# Altium PCB 电解模块主控板_V1.1_ZM_20210918.PcbDoc (part 1 of 2)
Units mil, origin at the board's own origin, x right, y up, seen from the top; angles counter-clockwise.
Board outline 5915.54 x 3947.37 mil, 2 copper layers (Top Layer, Bottom Layer); 200 components, 153 nets, 656 pads, 1536 vias.
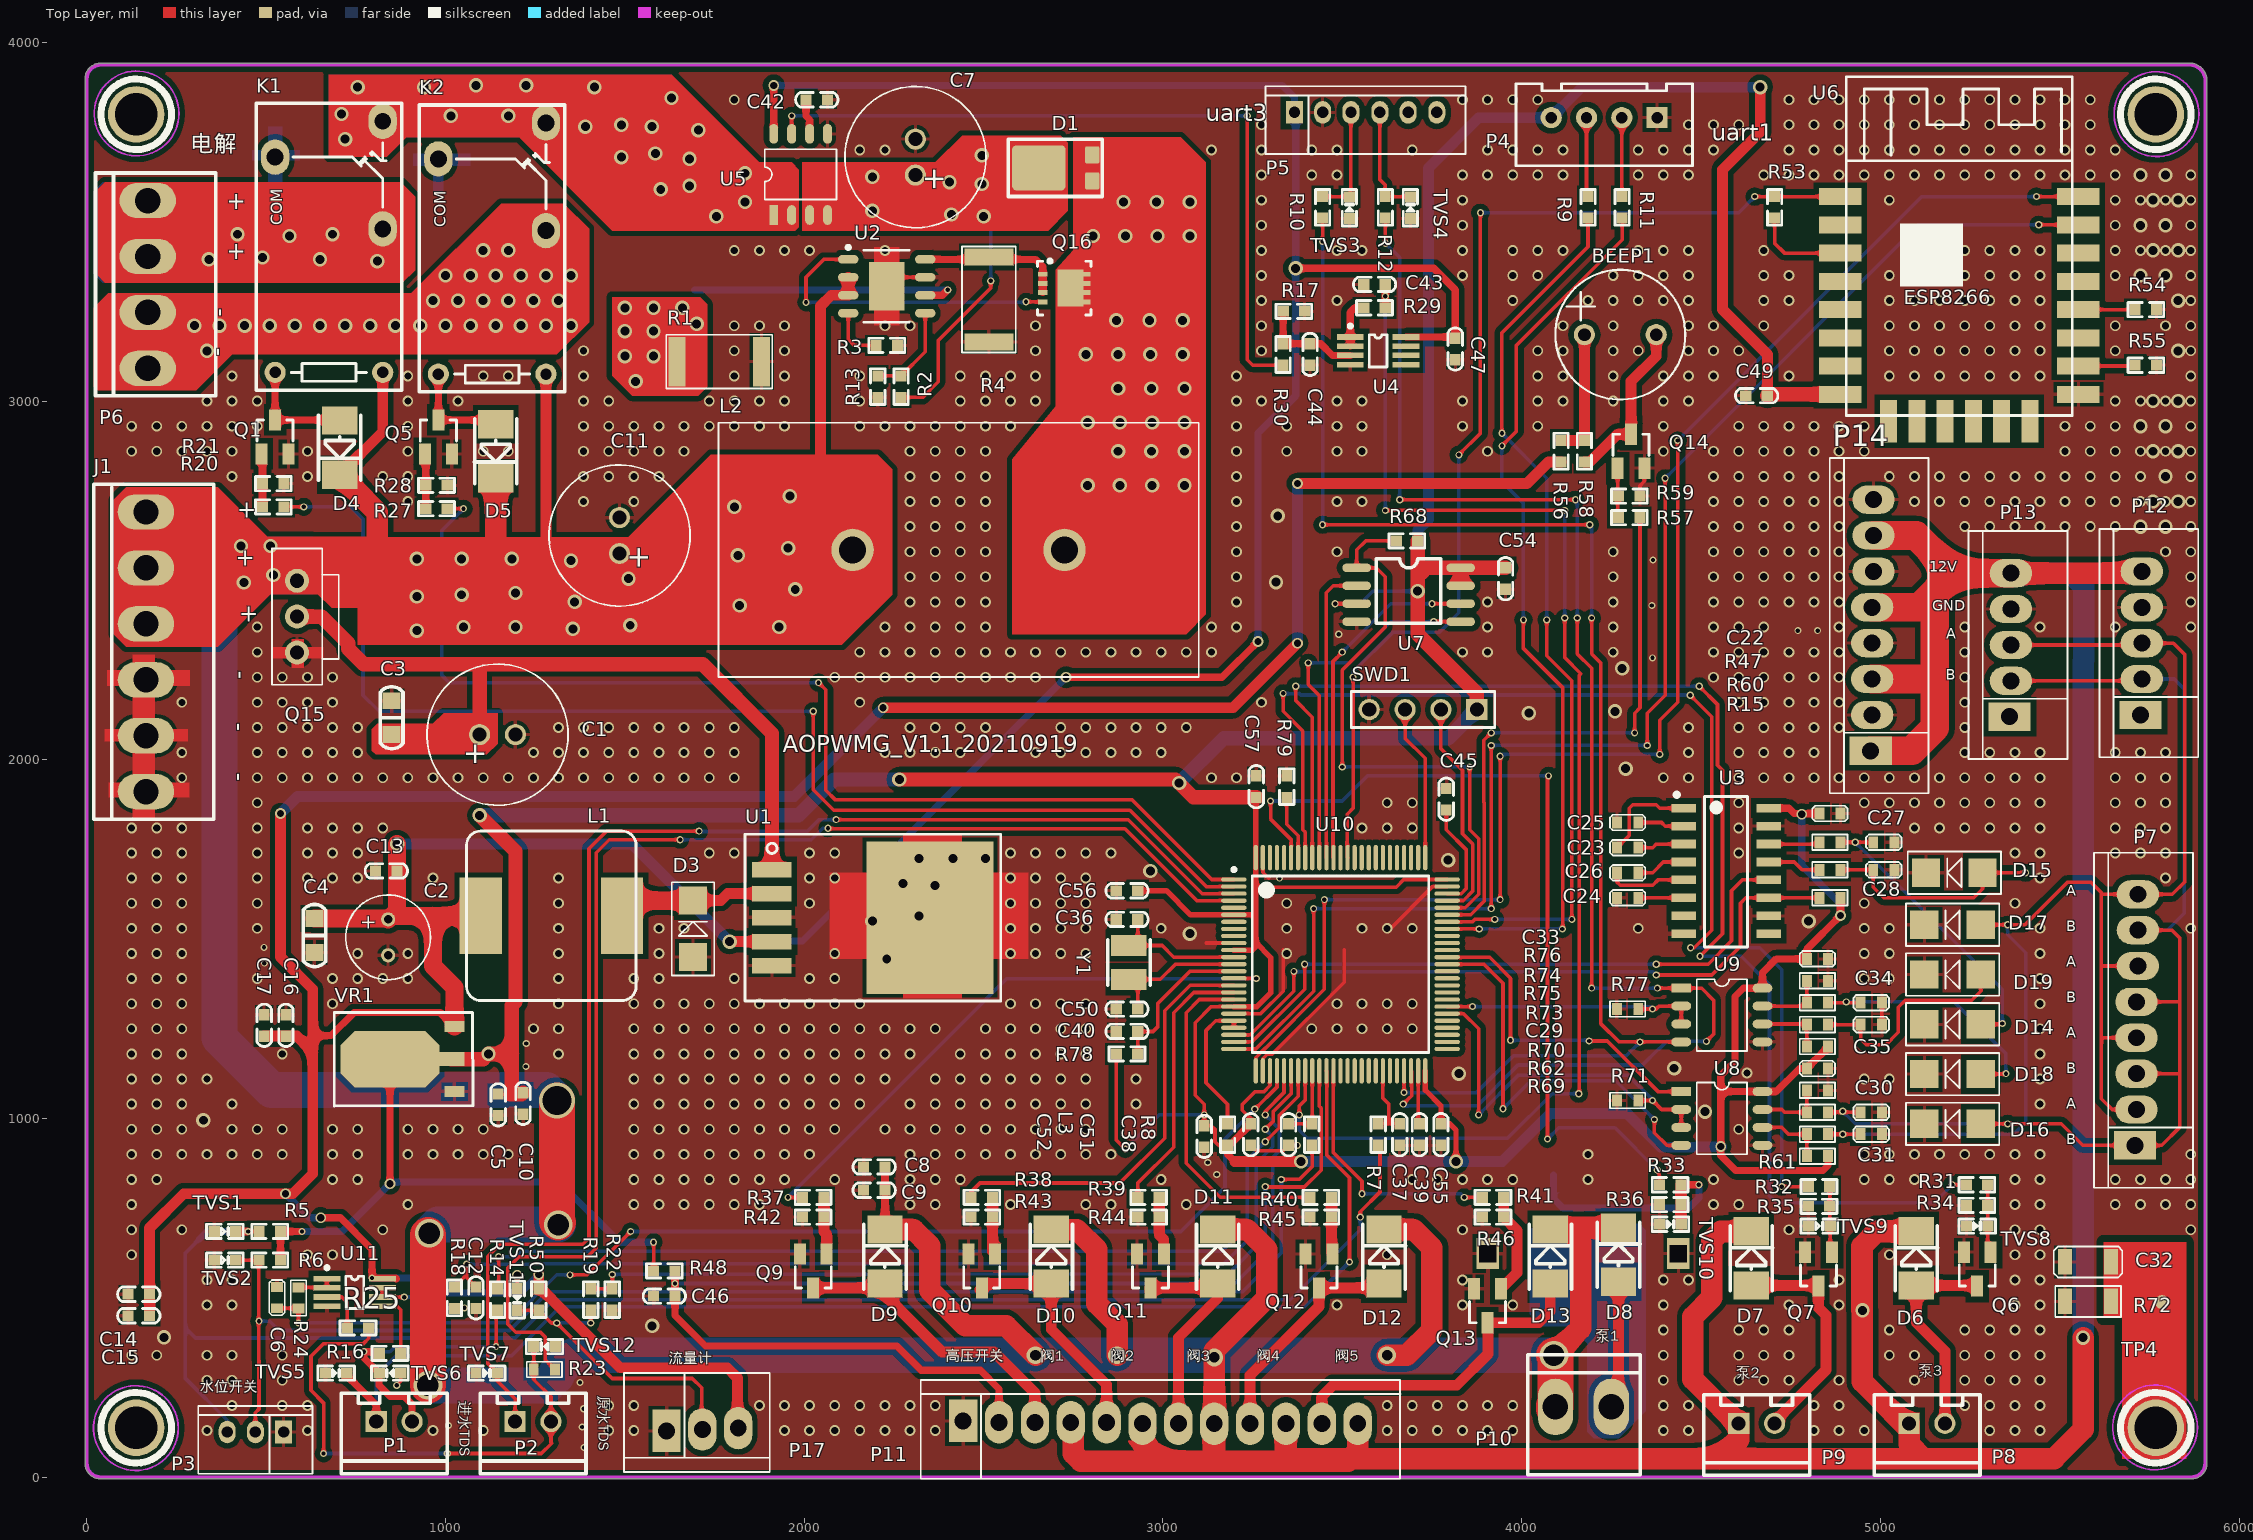
[diagram p0: Top Layer view]
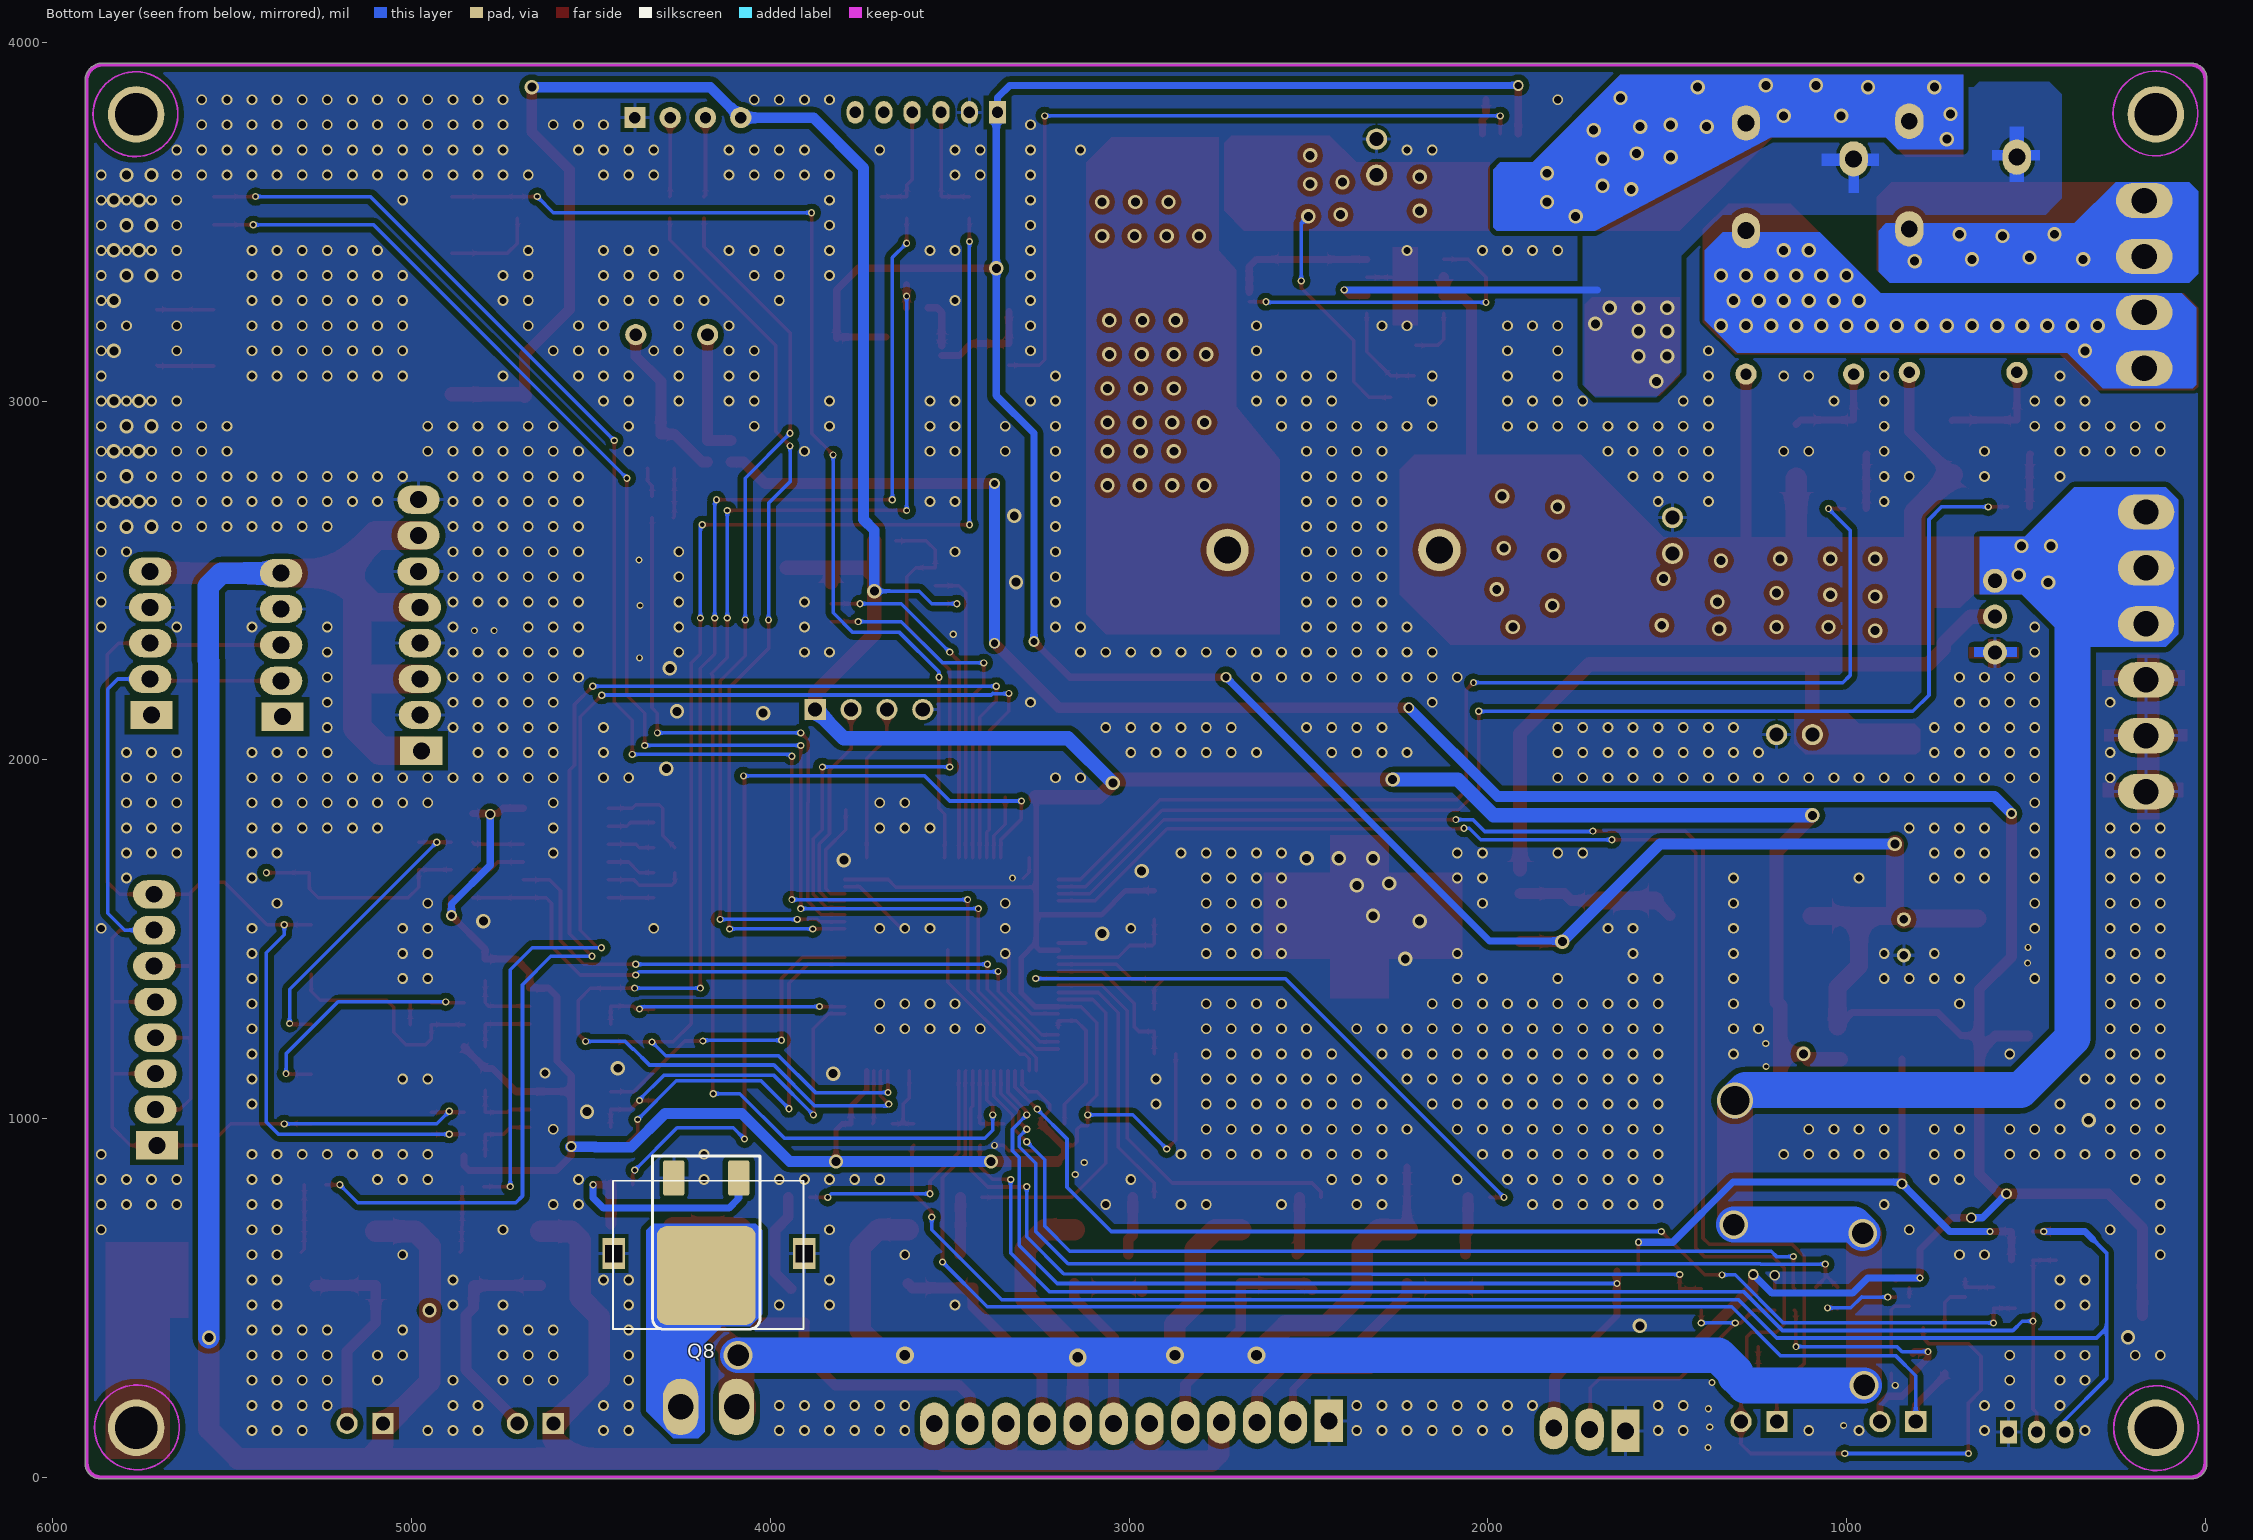
[diagram p1: Bottom Layer view, seen from below]
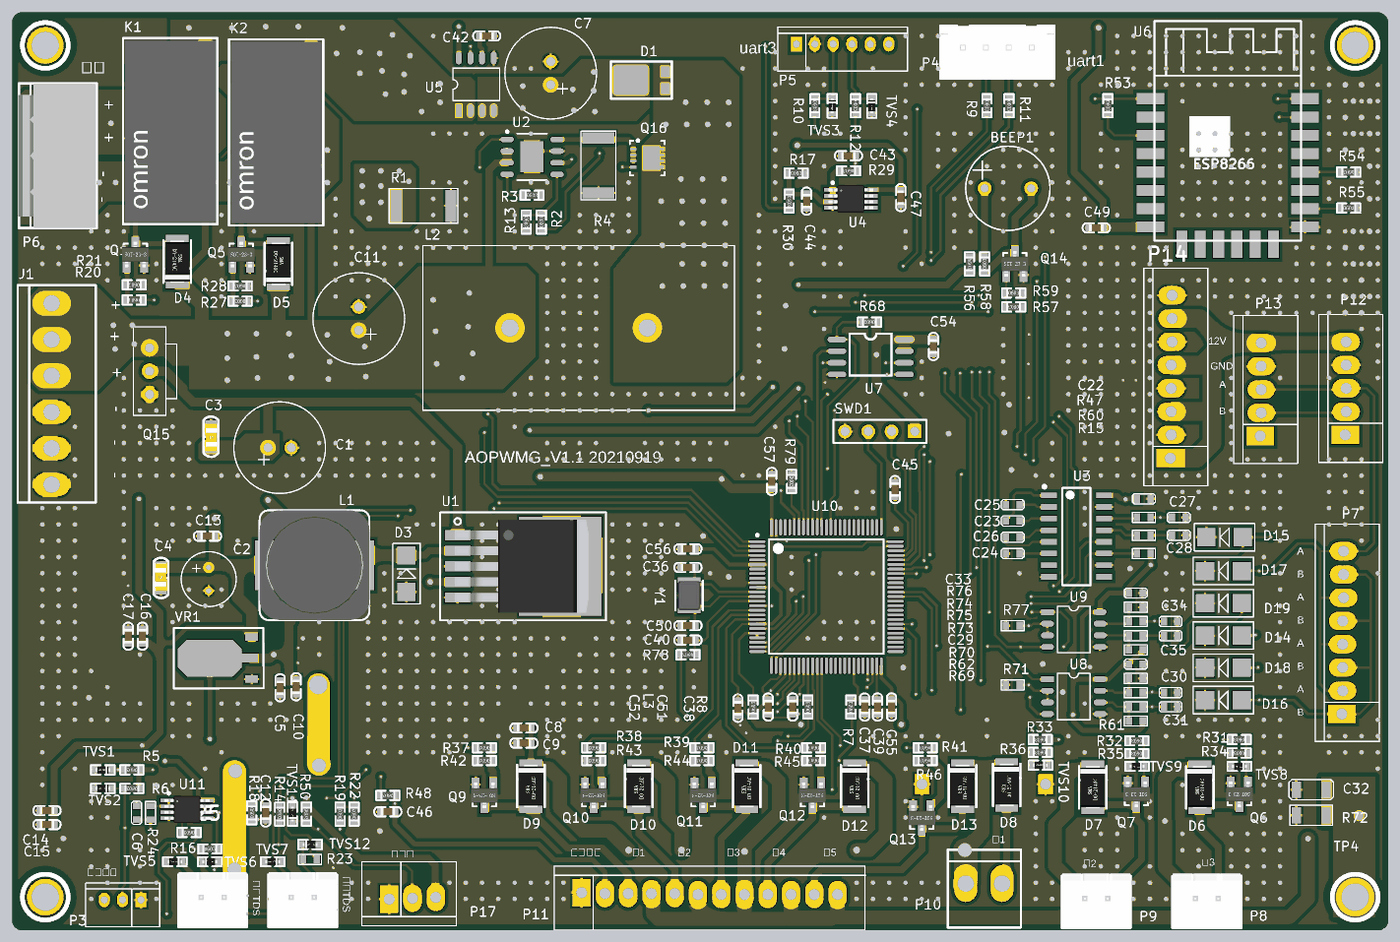
[diagram p3: 3D render of the assembled board from above, using the file's embedded part models]

## Layer stack, top to bottom
Top Solder: solder mask 0.4, Solder Resist, Dk 3.5
Top Layer: signal copper 1.4
Dielectric1: dielectric 12.6, FR-4, Dk 4.8
Bottom Layer: signal copper 1.4
Bottom Solder: solder mask 0.4, Solder Resist, Dk 3.5

## Board outline
-5.01,39.37 ccw(c39.37,39.37) 39.37,-5.01 5866.14,-5.01 ccw(c5866.14,39.37) 5910.53,39.37 5910.53,3897.64 ccw(c5905.51,3897.64) 5910.49,3898.25 ccw(c5860.57,3892.07) 5854.7,3942.02 39.37,3942.02 ccw(c39.37,3897.64) -5.01,3897.64

## Design rules (kind name [scope] priority, off if disabled: settings)
Clearance Clearance_2 [InNet('NetC32_2')] p1: gap=20
Clearance Clearance_1 [InPolygon] p2: gap=15
Clearance [All] p3: gap=6
NetAntennae [All] p1: netantennaetolerance=200
PolygonConnect PolygonConnect_2 [InNet('NetC32_2')] p1: connectstyle=Direct reliefconductorwidth=10 reliefentries=4 polygonreliefangle="90 Angle" airgapwidth=10
PolygonConnect PolygonConnect_1 [isvia] p2: connectstyle=Direct reliefconductorwidth=10 reliefentries=4 polygonreliefangle="90 Angle" airgapwidth=10
PolygonConnect [All] p3: connectstyle=Relief reliefconductorwidth=10 reliefentries=4 polygonreliefangle="90 Angle" airgapwidth=10
RoutingVias [All] p1: holewidth=12 width=24 viastyle="Through Hole" minholewidth=8 minwidth=8 maxholewidth=200 maxwidth=200
SilkToSolderMaskClearance [IsPad] p1: minsilkscreentomaskgap=2 clearancetoexposedcopper=TRUE
SolderMaskExpansion [All] p1: expansion=4
Width [All] p1: maxlimit=360 minlimit=10 preferedwidth=10
28 further rules are at their usual default settings.

## Classes and differential pairs
component class 13_SPI_Flash: C54 R68 U7
component class 11_Speak: BEEP1 BP1 Q14 R56 R57 R58 R59
component class 10_Wifi: C49 R53 R54 R55 U6
component class 08_Peripherals: C46 D6 D7 D8 D9 D10 D11 D12 D13 P8 P9 P10 P11 Q6 Q7 Q8 Q9 Q10 Q11 Q12 Q13 R31 R32 R33 R34 R35 R36 R37 R38 R39 R40 R41 R42 R43 R44 R45 R46 R48 TVS8 TVS9 TVS10
component class 07_EL_CON: C7 C11 C42 C43 C44 D1 D4 D5 K1 K2 L2 P6 Q1 Q5 Q16 R1 R2 R3 R4 R13 R17 R20 R21 R27 R28 R29 R30 U2 U4 U5
component class cpu: C36 C39 C40 C45 C50 C51 C52 C55 C56 C57 L3 R78 R79 SWD1 U10 Y1
component class 05_USART: P4 P5 R9 R10 R11 R12 TVS3 TVS4
component class com: C22 C23 C24 C25 C26 C27 C28 C29 C30 C31 C32 C33 C34 C35 D14 D15 D16 D17 D18 D19 P7 P12 P13 P14 R15 R47 R60 R61 R62 R69 R70 R71 R72 R73 R74 R75 R76 R77 TP4 U3 U8 U9
component class 04_Sensor: C6 C12 C37 C38 C47 P1 P2 P3 P17 R5 R6 R7 R8 R14 R16 R18 R19 R22 R23 R24 R25 R50 TVS1 TVS2 TVS5 TVS6 TVS7 TVS11 TVS12 U11
component class 02_Power: C1 C2 C3 C4 C5 C8 C9 C10 C13 C14 C15 C16 C17 D3 J1 L1 Q15 U1 VR1

## Components (designator, comment, footprint, x,y, rotation, side; value= is the part's Value field where it differs from the comment)
BEEP1 "BEEP-9.5X5.5" BEEP-9.5X5.5 4275,3185 r0 top
C1 "1000uF/35V" 10*16 1145,2070 r180 top
C2 "100uF/35V" 6*8 840,1505 r90 top
C3 "104 50V" SMD-0805C 850,2117.24 r270 top
C4 "104 50V" SMD-0805C 635,1510 r90 top
C5 "10uF 25V" SMD-0603C 1147,1038 r90 top
C6 "NC" 0603C 530,530 r270 top
C7 "1000uF/35V" 10*16 2310,3680 r270 top
C8 "10uF25V" SMD-0603C 2195,865 r0 top
C9 "104 50V" SMD-0603C 2195,800 r0 top
C10 "104 50V" SMD-0603C 1216,1042 r90 top
C11 "1000uF/35V" 10*16 1485,2625 r270 top
C12 "NC" SMD-0603C 1085,500 r90 top
C13 "104 50V" SMD-0603C 835,1690 r0 top
C14 "10uF25V" SMD-0603C 145,510 r0 top
C15 "104 50V" SMD-0603C 145,450 r0 top
C16 "10uF25V" SMD-0603C 555,1259.47 r270 top
C17 "104 50V" SMD-0603C 494.47,1259.47 r270 top
C22 "104 50V" 0603C 4830,1850 r0 top
C23 "104 50V" 0603C 4265.94,1755 r0 top
C24 "104 50V" 0603C 4325,1615 r180 top
C25 "104 50V" 0603C 4325,1825 r180 top
C26 "104 50V" 0603C 4265.94,1685 r0 top
C27 "220PF/16V" 0603C 4980,1770 r0 top
C28 "220PF/16V" 0603C 4980,1693.33 r0 top
C29 "104 50V" 0603C 4795,1139.44 r0 top
C30 "220PF/16V" 0603C 4945,1017.22 r0 top
C31 "220PF/16V" 0603C 4945,956.11 r0 top
C32 "1NF/2KV" 1206C 5515,600 r0 top
C33 "104 50V" 0603C 4795,1445 r0 top
C34 "220PF/16V" 0603C 4945,1322.78 r0 top
C35 "220PF/16V" 0603C 4945,1261.67 r0 top
C36 "12P/50V" SMD-0603C 2900,1555 r180 top
C37 "104 50V" SMD-0603C 3660,955 r90 top
C38 "104 50V" SMD-0603C 3350,955 r90 top
C39 "4.7uF/10V/NC" SMD-0603C 3715,955 r90 top
C40 "1uF/10V" SMD-0603C 2900,1242.5 r0 top
C42 "104 50V" SMD-0603C 2035,3840 r0 top
C43 "NC" SMD-0603C 3590,3325 r0 top
C44 "104 50V" SMD-0603C 3410,3130 r270 top
C45 "4.7uF/10V/NC" SMD-0603C 3790,1890 r270 top
C46 "104 50V" SMD-0603C 1610,505 r0 top
C47 "10uF 10V" SMD-0603C 3815,3145 r90 top
C49 "104 50V" SMD-0603C 4655,3015 r0 top
C50 "12P/50V" SMD-0603C 2900,1305 r180 top
C51 "104 50V" SMD-0603C 3245,955 r90 top
C52 "104 50V" SMD-0603C 3115,950 r90 top
C54 "104 50V" SMD-0603C 3955,2505 r270 top
C55 "104 50V" SMD-0603C 3775,955 r90 top
C56 "104 50V" SMD-0603C 2900,1635 r0 top
C57 "104 50V" SMD-0603C 3260,1925 r270 top
D1 "SB1545L" TO227 2675,3650 r90 top
D3 "SS34" SMA 1690,1450 r90 top
D4 "1N4007" DO-214-AC 705,2870 r270 top
D5 "1N4007" DO-214-AC 1140,2860 r270 top
D6 "1N4007" DO-214-AC 5100,610 r90 top
D7 "1N4007" DO-214-AC 4640,610 r90 top
D8 "1N4007" DO-214-AC 4270,620 r90 top
D9 "1N4007" DO-214-AC 2225,615 r90 top
D10 "1N4007" DO-214-AC 2688.75,615 r90 top
D11 "1N4007" DO-214-AC 3152.5,615 r90 top
D12 "1N4007" DO-214-AC 3616.25,615 r90 top
D13 "1N4007" DO-214-AC 4080,615 r90 top
D14 "SMAJ18CA" SMA 5280,1262.5 r180 top
D15 "SMAJ18CA" SMA 5285,1685 r180 top
D16 "SMAJ6.5CA" SMA 5280,985 r180 top
D17 "SMAJ6.5CA" SMA 5280,1540 r180 top
D18 "SMAJ6.5CA" SMA 5280,1123.75 r180 top
D19 "SMAJ6.5CA" SMA 5280,1401.25 r180 top
J1 "HEADER_6" VH-AW-3.96*6P 165,2145 r90 top
K1 "G5Q-14-DC12" G5Q-14 675,3430 r90 top
K2 "G5Q-14-DC12" G5Q-14 1130,3425 r90 top
L1 "33uH" CDRH-127 1295,1565 r180 top
L2 "33uH/15A" INDUCTOR_34*18 2135,2585 r0 top
L3 "MPZ1608D101BTA00" SMD-0603 3180,955 r90 top
P1 "XH2.54 2P" SIP-2A 857,155 r0 top
P2 "XH2.54 2P" SIP-2A 1244,155 r0 top
P3 "1*3P" 3X2MMZ 548.74,126 r180 top
P4 "1*4P" XH2.54-4A 4230,3790 r180 top
P5 "Header 6" 6X2MMZ 3366.56,3804.75 r0 top
P6 "SIP-4" VH-AW-3.96*4P 170,3325 r90 top
P7 "Header 8" 8X2.54MMZ 5710,925 r90 top
P8 "SIP-2" SIP-2A 5130,150 r0 top
P9 "SIP-2" SIP-2A 4655,150 r0 top
P10 "SIP-2" VH-AW-3.96*2P 4327.95,196 r0 top
P11 "Header 12" 12X2.54MMZ 2443,157 r0 top
P12 "Header 5" 5X2.54MMZ 5725,2125 r90 top
P13 "Header 5" 5X2.54MMZ 5360,2120 r90 top
P14 "Header 8" 8X2.54MMZ 4973.06,2025 r90 top
P17 "1*3P" 3X2.54MMZ2 1616,129 r0 top
Q1 "SS8050" SOT-23 525,2900 r0 top
Q5 "SS8050" SOT-23 980,2900 r0 top
Q6 "AO3400" SOT-23 5270,580 r180 top
Q7 "AO3400" SOT-23 4827.5,580 r180 top
Q8 "AOD538" TO252 4178.55,562.35 r0 bottom
Q9 "LH8050QLT1G" SOT-23 2025,575 r180 top
Q10 "LH8050QLT1G" SOT-23 2495,575 r180 top
Q11 "LH8050QLT1G" SOT-23 2965,575 r180 top
Q12 "LH8050QLT1G" SOT-23 3435,575 r180 top
Q13 "LH8050QLT1G" SOT-23 3905,478 r180 top
Q14 "S8050" SOT-23 4305,2860 r0 top
Q15 "AOTF4185" TO220 586,2299 r90 top
Q16 "AON7506" DFN3*3-8 2725,3315 r270 top
R1 "0.03/1w" 2512R 1645,3110 r0 top
R2 "23.2K/1%" SMD-0603 2270,3040 r90 top
R3 "38.3K/1%" SMD-0603 2230,3155 r0 top
R4 "0.027/1%" 2512r 2515,3401.22 r270 top
R5 "10K" SMD-0603 510,685 r180 top
R6 "10K" SMD-0603 510,605 r180 top
R7 "10K" SMD-0603 3600,955 r90 top
R8 "10K" SMD-0603 3415,955 r90 top
R9 "10R" SMD-0603 4185,3540 r270 top
R10 "100R" SMD-0603 3445,3540 r270 top
R11 "10R" SMD-0603 4280,3540 r270 top
R12 "100R" SMD-0603 3620,3540 r270 top
R13 "1K/1%" SMD-0603 2205,3040 r270 top
R14 "2K" SMD-0603 1145,495 r270 top
R15 "4.75K 1%" 0603R 4889.06,1615 r180 top
R16 "10K" SMD-0603 845,345 r0 top
R17 "10K" SMD-0603 3365,3250 r180 top
R18 "4.7K" SMD-0603 1025,500 r270 top
R19 "10K" SMD-0603 1405,495 r90 top
R20 "1K" SMD-0603 520,2705 r180 top
R21 "47K" SMD-0603 520,2770 r180 top
R22 "20K" SMD-0603 1465,495 r90 top
R23 "2K" 0603R 1305,300 r180 top
R24 "4.7K" 0603R 590,470 r90 top
R25 "10K" SMD-0603 756,416 r180 top
R27 "1K" SMD-0603 975,2700 r180 top
R28 "47K" SMD-0603 975,2765 r180 top
R29 "100R" SMD-0603 3590,3260 r180 top
R30 "10K" SMD-0603 3335,3130 r270 top
R31 "100R" SMD-0603 5269,815 r180 top
R32 "100R" SMD-0603 4829,810 r180 top
R33 "100R" SMD-0603 4414,815 r180 top
R34 "10K" SMD-0603 5269,757.5 r180 top
R35 "10K" SMD-0603 4829,755 r180 top
R36 "10K" SMD-0603 4414,760 r180 top
R37 "1K" SMD-0603 2025,780 r180 top
R38 "1K" SMD-0603 2495,780 r180 top
R39 "1K" SMD-0603 2960,780 r180 top
R40 "1K" SMD-0603 3440,780 r180 top
R41 "1K" SMD-0603 3920,780 r180 top
R42 "10K" SMD-0603 2025,725 r180 top
R43 "10K" SMD-0603 2495,725 r180 top
R44 "10K" SMD-0603 2960,725 r180 top
R45 "10K" SMD-0603 3440,725 r180 top
R46 "10K" SMD-0603 3920,725 r180 top
R47 "22R 5%" 0603R 4830,1770 r0 top
R48 "10K" SMD-0603 1610,575 r180 top
R50 "10K" SMD-0603 1260,495 r270 top
R53 "1K" SMD-0603 4705,3540 r270 top
R54 "NC" SMD-0603 5740,3255 r180 top
R55 "1K" SMD-0603 5740,3100 r0 top
R56 "51R" SMD-0603 4110,2860 r270 top
R57 "4.7K" SMD-0603 4300,2675 r180 top
R58 "1K" SMD-0603 4175,2860 r90 top
R59 "47K" SMD-0603 4300,2735 r0 top
R60 "22R 5%" 0603R 4830,1693.33 r0 top
R61 "750R 5%" 0603R 4795,895 r0 top
R62 "FSMD010-0603" 0603R 4795,1017.22 r0 top
R68 "4.7K" SMD-0603 3680,2610 r180 top
R69 "FSMD010-0603" 0603R 4795,956.11 r0 top
R70 "750R 5%" 0603R 4795,1078.33 r0 top
R71 "10K 1%" 0603R 4325,1050 r180 top
R72 "10M 5%" 1206r 5515,490 r0 top
R73 "750R 5%" 0603R 4795,1200.56 r0 top
R74 "FSMD010-0603" 0603R 4795,1322.78 r0 top
R75 "FSMD010-0603" 0603R 4795,1261.67 r0 top
R76 "750R 5%" 0603R 4795,1383.89 r0 top
R77 "10K 1%" 0603R 4325,1305 r180 top
R78 "10K" SMD-0603 2900,1180 r180 top
R79 "100K" SMD-0603 3345,1925 r270 top
SWD1 "SIP-4 (NC)" SIP-4 3725,2140 r180 top
TP4 "TPS" tpd 5785,488 r90 top
TVS1 "ESD5Z5.0CT1G" SOD-523 385,685 r0 top
TVS2 "ESD5Z5.0CT1G" SOD-523 385,605 r0 top
TVS3 "ESD5Z5.0CT1G" SOD-523 3520,3539 r90 top
TVS4 "ESD5Z5.0CT1G" SOD-523 3690,3539 r90 top
TVS5 "ESD5Z5.0CT1G" SOD-523 695,290 r0 top
TVS6 "ESD5Z5.0CT1G" SOD-523 845,290 r180 top
TVS7 "ESD5Z5.0CT1G" SOD-523 1115,290 r0 top
TVS8 "ESD5Z5.0CT1G" SOD-523 5270,700 r0 top
TVS9 "ESD5Z5.0CT1G" SOD-523 4830,700 r0 top
TVS10 "ESD5Z5.0CT1G" SOD-523 4415,705 r0 top
TVS11 "ESD5Z5.0CT1G" SOD-523 1200,495 r270 top
TVS12 "ESD5Z5.0CT1G" SOD-523 1276,364 r180 top
U1 "LM2596S 5.0V" TO-263-5 1910,1560 r270 top
U2 "OC6781" SOP127P600X265_HS-9N 2230,3320 r0 top
U3 "TPT3232E-SO3R" SO-16Z 4451.5,1865 r0 top
U4 "SGM358YMS/TR" MSOP-8 3600,3140 r0 top
U5 "ACS712ELCTR-20A-T" SO-8 1915,3518.62 r90 top
U6 "ESP-12F" ESP-12F 4880,3570 r0 top
U7 "W25Q128FVSIG" SO-8W 3540,2535 r0 top
U8 "TP8485E-SR/NC" SO-8 4445,1075 r0 top
U9 "TP8485E-SR" SO-8 4445,1363.34 r0 top
U10 "GD32F405VGTx" STM-LQFP100_N 3495,1430 r0 top
U11 "SGM358YMS/TR" MSOP-8 747,515 r0 top
VR1 "LM1117 3.3V" SOT223 1025,1075 r90 top
Y1 "8MHz" XTAL-3225-2 2905,1435 r90 top

## Footprints (in the part's own frame and the unit in brackets; to place one, negate y for a bottom-side part, rotate by r counter-clockwise, add the part's x,y. Pads: shape width x height; smd on the part's side, far side on the other; paste and mask are expansions set on the pad)
3X2.54MMZ2 [mm]
  rect 2x3 hole 1.2: 1(0,0)
  oval 2x3 hole 1.2: 2(2.54,0.1) 3(5.08,0.2)
  silkscreen extent -3,-2.9 7.31,4.1
3X2MMZ [mm]
  rect 1.2x1.6 hole 0.8: 1(0,0)
  oval 1.2x1.6 hole 0.8: 2(2,0) 3(4,0)
  silkscreen extent -2.05,-1.85 6.05,2.95
5X2.54MMZ [mm]
  rect 2x3 hole 1.2: 1(0,0)
  oval 2x3 hole 1.2: 2(2.54,-0.1) 3(5.08,-0.1) 4(7.62,-0.1) 5(10.16,-0.1)
  silkscreen extent -3,-4.1 13.16,2.9
6*8 [mm]
  round 1 hole 0.6: 1(1.27,0) 2(-1.27,0)
  silkscreen extent -3,-3 3,3
6X2MMZ [mm]
  rect 1.2x1.6 hole 0.8: 1(0,0)
  oval 1.2x1.6 hole 0.8: 2(2,0) 3(4,0) 4(6.05,0) 5(8.05,0) 6(10.08,0)
  silkscreen extent -2.05,-2.95 12.12,1.85
8X2.54MMZ [mm]
  rect 2x3 hole 1.2: 1(0,0)
  oval 2x3 hole 1.2: 2(2.54,-0.1) 3(5.08,-0.1) 4(7.62,-0.1) 5(10.16,-0.1) 6(12.7,-0.2) 7(15.24,-0.2) 8(17.78,-0.2)
  silkscreen extent -3,-4.1 20.73,2.9
10*16 [mm]
  round 1.5 hole 1: 1(1.27,0) 2(-1.27,0)
  silkscreen extent -5,-5 5,5
12X2.54MMZ [mm]
  rect 2x3 hole 1.2: 1(0,0)
  oval 2x3 hole 1.2: 2(2.54,-0.1) 3(5.08,-0.1) 4(7.62,-0.1) 5(10.16,-0.1) 6(12.7,-0.2) 7(15.24,-0.2) 8(17.78,-0.2) 9(20.32,-0.2) 10(22.86,-0.2) 11(25.4,-0.2) 12(27.94,-0.2)
  silkscreen extent -3,-4.1 30.99,2.9
0603C [mm]
  rect 0.7x0.85 smd: 1(0,0) 2(1.5,0)
  silkscreen extent -0.5,-0.55 2,0.55
0603R [mm]
  rect 0.7x0.85 smd: 1(0,0) 2(1.5,0)
  silkscreen extent -0.5,-0.55 2,0.55
1206C [mm]
  rect 1x1.8 smd: 1(0,0) 2(3.25,0)
  silkscreen extent -0.8,-1.1 4.05,1.1
1206r [mm]
  rect 1x1.8 smd: 1(0,0) 2(3.25,0)
  silkscreen extent -0.7,-1.1 3.95,1.1
2512R [mm]
  rect 1.2x3.5 smd: 1(0,0) 2(6,0)
  silkscreen extent -0.75,-1.9 6.75,1.9
2512r [mm]
  rect 1.2x3.5 smd: 1(0,0) 2(6,0)
  silkscreen extent -0.75,-1.9 6.75,1.9
BEEP-9.5X5.5 [mm]
  round 1.5 hole 0.9: 1(-2.54,0) 2(2.54,0)
  silkscreen extent -4.6,-4.6 4.6,4.6
CDRH-127 [mm]
  rect 3x5.4 smd: 1(-5,0) 2(5,0)
  silkscreen extent -6,-6 6,6, body extent -6,-6 6,6, height 8.2
DFN3*3-8 [mm]
  rect 0.35x0.65 smd: 1(0.975,-1.525) 2(-0.975,1.525) 2(-0.325,1.525) 2(0.325,1.525) 2(0.975,1.525) 3(-0.975,-1.525) 3(-0.325,-1.525) 3(0.325,-1.525)
  rect 2.6x1.84 smd: 2(0,0.45)
  silkscreen extent -2.03,-1.9 1.9,1.9, body extent -1.75,-1.75 1.75,1.75, height 0.8
DO-214-AC [mm]
  rect 2x2.5 smd: 1(-1.915,0) 2(1.915,0)
  silkscreen extent -2.3,-1.52 2.3,1.5, body extent -2.3,-1.35 2.3,1.35, height 2.4
ESP-12F [mm]
  rect 3x1.2 smd: 1(0.203,0) 2(0.203,-2) 3(0.203,-4) 4(0.203,-6) 5(0.203,-8) 6(0.203,-10) 7(0.203,-12) 8(0.203,-14) 15(17.069,-14) 16(17.069,-12) 17(17.069,-10) 18(17.069,-8) 19(17.069,-6) 20(17.069,-4) 21(17.069,-2) 22(17.069,0)
  rect 1.2x3 smd: 9(3.632,-15.9) 10(5.632,-15.9) 11(7.632,-15.9) 12(9.632,-15.9) 13(11.632,-15.9) 14(13.632,-15.9)
  silkscreen extent 0.63,-15.49 16.64,8.49
G5Q-14 [mm]
  oval 2.5x2 hole 1.2: 1(1.27,-3.81) 2(8.89,-3.81) 3(6.35,3.81)
  round 1.5 hole 0.8: 4(-8.89,3.81) 5(-8.89,-3.81)
  silkscreen extent -10.15,-5.15 10.17,5.15, body extent -9.9,-4.95 9.9,4.95, height 15.91
INDUCTOR_34*18 [mm]
  round 3 hole 1.9: 1(0,0) 2(15,0)
  silkscreen extent -9.5,-9 24.5,9
MSOP-8 [mm]
  rect 1.9x0.4 smd: 1(-1.975,0.975) 2(-1.975,0.325) 3(-1.975,-0.325) 4(-1.975,-0.975) 5(1.975,-0.975) 6(1.975,-0.325) 7(1.975,0.325) 8(1.975,0.975)
  silkscreen extent -2.1,-1.14 0.64,1.87, body extent -2.45,-1.5 2.45,1.5, height 1.15
SIP-2A [mm]
  rect 1.5x1.5 hole 1: 1(-1.27,0)
  round 1.5 hole 1: 2(1.27,0)
  silkscreen extent -3.75,-3.68 3.75,2.02, body extent -3.7,-3.81 3.7,2.29, height 7.5
SIP-4 [mm]
  rect 1.5x1.5 hole 1: 1(-3.81,0)
  round 1.5 hole 1: 2(-1.27,0) 3(1.27,0) 4(3.81,0)
  silkscreen extent -5.08,-1.27 5.08,1.27
SMA [mm]
  rect 2x2 smd: 1(0,0) 2(4,0)
  silkscreen extent -1.3,-1.5 5.3,1.5
SMD-0603 [mil]
  rect 31.5x30 smd: 1(-30,0) 2(30,0)
  silkscreen extent -50,-20 50,20, body extent -31,-16 31,16, height 18
SMD-0603C [mil] "贴片电容"
  rect 31.5x30 smd: 1(-30,0) 2(30,0)
  silkscreen extent -59,-20 59,20, body extent -31,-16 31,16
SMD-0805C [mm]
  rect 1.2x1.27 smd: 1(-1.2,0) 2(1.2,0)
  silkscreen extent -2.2,-0.8 2.2,0.8, body extent -1.42,-0.67 1.58,0.73, height 0.93
SO-8 [mil]
  rect 55x25 smd: 1(0,0)
  oval 55x25 smd: 2(0,-50) 3(0,-100) 4(0,-150) 5(226.38,-150) 6(226.38,-100) 7(226.38,-50) 8(226.38,0)
  silkscreen extent 43,-175 183,25
SO-8W [mil]
  oval 80x24 smd: 1(0,0) 2(0,-50) 3(0,-100) 4(0,-150) 5(290,-150) 6(290,-100) 7(290,-50) 8(290,0)
  silkscreen extent 55,-155 235,25
SO-16Z [mil]
  rect 68x24 smd: 1(0,0) 2(0,-50) 3(0,-100) 4(0,-150) 5(0,-200) 6(0,-250) 7(0,-300) 8(0,-350) 9(237.11,-350) 10(237.11,-300) 11(237.11,-250) 12(237.11,-200) 13(237.11,-150) 14(237.11,-100) 15(237.11,-50) 16(237.11,0)
  silkscreen extent -19,-387 178,38
SOD-523 [mil]
  rect 31.5x30 smd: 1(-30,0) 2(30,0)
  silkscreen extent -51,-20 51,20, body extent -31,-16 31,16, height 26
SOP127P600X265_HS-9N [mm] "SOP, 8-Leads, Body 4.90x3.90mm, Pitch 1.27mm, Thermal Pad 3.40x2.52mm, IPC Medium Density"
  oval 1.45x0.6 smd: 1(-2.725,1.905) 2(-2.725,0.635) 3(-2.725,-0.635) 4(-2.725,-1.905) 5(2.725,-1.905) 6(2.725,-0.635) 7(2.725,0.635) 8(2.725,1.905)
  rect 2.52x3.4 smd: 9(0,0)
  silkscreen extent -2.85,-2.55 1.6,2.88, body extent -2,-2.55 2,2.55, height 2.65
SOT223 [mm]
  rect 0.8x1.4 smd: 1(0,0) 3(4.6,0)
  rect 1x1.854 smd: 2(2.3,0.227)
  oct 4x7 smd: 4(2.286,4.572)
  silkscreen extent -1.02,-1.3 5.59,8.51
SOT-23 [mm]
  rect 0.85x1.5 smd: 1(-0.95,-1.2) 2(0.95,-1.2) 3(0,1.2)
  silkscreen extent -1.27,-0.3 1.28,1.2, body extent -1.45,-1.4 1.45,1.4, height 1.2
STM-LQFP100_N [mm] "Thin QFP, 100-Leads, Body 14x14mm, Pitch 0.5mm, IPC Medium Density"
  oval 1.8x0.3 smd: 1(-7.55,6) 2(-7.55,5.5) 3(-7.55,5) 4(-7.55,4.5) 5(-7.55,4) 6(-7.55,3.5) 7(-7.55,3) 8(-7.55,2.5) 9(-7.55,2) 10(-7.55,1.5) 11(-7.55,1) 12(-7.55,0.5) 13(-7.55,0) 14(-7.55,-0.5) 15(-7.55,-1) 16(-7.55,-1.5) 17(-7.55,-2) 18(-7.55,-2.5) 19(-7.55,-3) 20(-7.55,-3.5) 21(-7.55,-4) 22(-7.55,-4.5) 23(-7.55,-5) 24(-7.55,-5.5) 25(-7.55,-6) 51(7.55,-6) 52(7.55,-5.5) 53(7.55,-5) 54(7.55,-4.5) 55(7.55,-4) 56(7.55,-3.5) 57(7.55,-3) 58(7.55,-2.5) 59(7.55,-2) 60(7.55,-1.5) 61(7.55,-1) 62(7.55,-0.5) 63(7.55,0) 64(7.55,0.5) 65(7.55,1) 66(7.55,1.5) 67(7.55,2) 68(7.55,2.5) 69(7.55,3) 70(7.55,3.5) 71(7.55,4) 72(7.55,4.5) 73(7.55,5) 74(7.55,5.5) 75(7.55,6)
  oval 0.3x1.8 smd: 26(-6,-7.55) 27(-5.5,-7.55) 28(-5,-7.55) 29(-4.5,-7.55) 30(-4,-7.55) 31(-3.5,-7.55) 32(-3,-7.55) 33(-2.5,-7.55) 34(-2,-7.55) 35(-1.5,-7.55) 36(-1,-7.55) 37(-0.5,-7.55) 38(0,-7.55) 39(0.5,-7.55) 40(1,-7.55) 41(1.5,-7.55) 42(2,-7.55) 43(2.5,-7.55) 44(3,-7.55) 45(3.5,-7.55) 46(4,-7.55) 47(4.5,-7.55) 48(5,-7.55) 49(5.5,-7.55) 50(6,-7.55) 76(6,7.55) 77(5.5,7.55) 78(5,7.55) 79(4.5,7.55) 80(4,7.55) 81(3.5,7.55) 82(3,7.55) 83(2.5,7.55) 84(2,7.55) 85(1.5,7.55) 86(1,7.55) 87(0.5,7.55) 88(0,7.55) 89(-0.5,7.55) 90(-1,7.55) 91(-1.5,7.55) 92(-2,7.55) 93(-2.5,7.55) 94(-3,7.55) 95(-3.5,7.55) 96(-4,7.55) 97(-4.5,7.55) 98(-5,7.55) 99(-5.5,7.55) 100(-6,7.55)
  silkscreen extent -7.67,-6.25 6.25,6.82, body extent -7,-7 7,7, height 1.6
TO220 [mm]
  round 1.7 hole 1: 1(0,0) 2(2.54,0) 3(5.08,0)
  silkscreen extent -2.29,-2.95 7.37,1.78
TO227 [mm] "DPAK"
  rrect20% 1.2x1 smd: 1(-0.92,-3.25) 1(0.92,-3.25)
  rrect20% 3.2x3.8 smd: 2(0,0.533)
  silkscreen extent -2.02,-3.96 2.04,2.69
TO252 [mm] "DPAK"
  rrect20% 1.5x2.5 smd: 1(-2.3,-6.9) 2(2.3,-6.9)
  rrect20% 7x7 smd: 3(0,0)
  rect 1.6x2.2 hole 1.2 square: 4(-6.934,-1.549) 5(6.566,-1.549)
  silkscreen extent -6.88,-8.46 6.6,3.8, body extent -3.37,-7.38 3.36,2.72, height 2.37
TO-263-5 [mm]
  rect 1.1x2.8 smd: 1(-3.4,0) 2(-1.7,0) 3(0,0) 4(1.7,0) 5(3.4,0)
  rect 10.8x9 smd: 6(0,11.2)
  silkscreen extent -5.9,-1.9 5.9,16.2, body extent -5.08,-0.32 5.08,14.32, height 4.57
tpd [mm]
  round 1 smd: 1(0,0)
VH-AW-3.96*2P [mm]
  oval 2.5x4 hole 1.8: 1(-5.94,0) 2(-1.98,0)
  silkscreen extent -7.89,-4.8 0.08,3.7
VH-AW-3.96*4P [mm]
  oval 2.5x4 hole 1.8: 1(-5.94,0) 2(-1.98,0) 3(1.98,0) 4(5.94,0)
  silkscreen extent -7.89,-4.8 7.89,3.7, body extent -7.89,-4.7 7.89,3.8, height 11.2
VH-AW-3.96*6P [mm]
  oval 2.5x4 hole 1.8: 1(-5.94,0) 2(-1.98,0) 3(1.98,0) 4(5.94,0) 5(9.9,0) 6(13.86,0)
  silkscreen extent -7.89,-4.8 15.82,3.7
XH2.54-4A [mm]
  rect 1.5x1.5 hole 0.8: 1(-3.75,0)
  round 1.5 hole 0.8: 2(-1.25,0) 3(1.25,0) 4(3.75,0)
  silkscreen extent -6.25,-2.4 6.25,3.4, body extent -6.2,-2.35 6.2,3.4, height 7.1
XTAL-3225-2 [mm]
  rect 1.5x2.5 smd: 1(-1.2,0) 2(1.2,0)
  silkscreen extent -1.6,-1.5 1.6,1.5, body extent -1.6,-1.25 1.6,1.25, height 0.9

## Part data
C1 C2 C7 C11: library part CAP2, "电解电容"
C3 C4 C6 C8 C9 C10 C12 C13 C43 C44 C46: library part CAP4, "贴片电容 10%"
C5 C14 C15 C16 C17 C37 C38 C39 C40 C45 C49 C51 C52 C54 C55 C56 C57: library part CAP4, "贴片电容 20%"
C22 C23 C24 C25 C26 C27 C28 C29 C30 C31 C32 C33 C34 C35: library part CAP
C36 C50: library part CAP4, "贴片电容 5%"
C42: library part C, "贴片电容 10%"
C47: library part "0805 22uF (226) 20% 25V", "贴片电容 10%"
D1: library part DIODE2, "肖特基二极管"
D3: library part DIODE
D4 D5 D6 D7 D8 D9 D10 D11 D12 D13: library part DIODE2, "贴片二极管"
D14 D15 D16 D17 D18 D19: library part D_ESD
K1 K2: library part JDQ1, "5V 继电器"
L1: library part IND
L2: library part Inductor1, "10uH 1A"
L3: library part CIZHU1, "磁珠电感 100R 100MHz"
P1 P2: library part SIP-2, "XH2.54 2P 直插"
P3 P17: library part HDR1*3
P4: library part HDR1*4
P5: "Header, 6-Pin"
P6: "3.96 4P 直插"
P7 P14: "Header, 8-Pin"
P8 P9 P10: "XH2.54 2P 立贴"
P11: "Header, 12-Pin"
P12 P13: "Header, 5-Pin"
Q1 Q5 Q9 Q10 Q11 Q12 Q13: library part NPN-1, "三极管"
Q6 Q7 Q8 Q15 Q16: library part "MOSFET N", "MOSFET N"
Q14: library part NPN-1, "NPN"
R1 R2 R3 R4 R13: library part R, "贴片电阻 5%"
R5 R6 R7 R8 R14 R16 R17 R23 R25 R30: library part RES0, "贴片电阻 1%"
R9 R10 R11 R12 R20 R21 R27 R28 R53 R54 R55 R68 R78 R79: library part RES2, "贴片电阻 5%"
R15 R47 R60 R61 R62 R69 R70 R71 R72 R73 R74 R75 R76 R77: library part RES
R18 R24 R29 R56 R57 R58 R59: library part RES0, "贴片电阻 5%"
R19 R22 R50: library part "0603 10KΩ (1002) 1%", "贴片电阻 5%"
R31 R32 R33 R34 R35 R36 R37 R38 R39 R40 R41 R42 R43 R44 R45 R46 R48: library part RES-SOP, "贴片电阻 5%"
SWD1: library part SIP-4, "ISP 下载"
TVS1 TVS2 TVS3 TVS4 TVS5 TVS6 TVS7 TVS8 TVS9 TVS10 TVS12: library part TVS-1, "TVS"
TVS11: library part TVS-1, "TVS 5.0V"
U1: library part LM2596
U4: library part LM358, "运算放大器"
U5: library part ACS712, "HALL 20A 电流传感器"
U6: library part ESP8266
U7: library part W25Q128FV
U8: library part TP8485E-SR
U10: library part STM32F405VGTx
U11: library part LM358, "运放"
VR1: library part LM1117, "三端稳压器"
Y1: library part XTAL, "3225 贴片晶振"

## Free pads (board coordinates)
  round 157.48 hole 118.11: 0(137.8,137.8) 0(137.8,3799.21) 0(5767.72,137.8) 0(5767.72,3799.21)

## Via types
v1: diameter 30, hole 20, Top Layer to Bottom Layer, tented both sides, 1183 vias
v2: diameter 40, hole 25, Top Layer to Bottom Layer, tented both sides, 189 vias
v3: diameter 20, hole 12, Top Layer to Bottom Layer, tented both sides, 155 vias
v4: diameter 50, hole 30, Top Layer to Bottom Layer, tented both sides, 4 vias
v5: diameter 80, hole 60, Top Layer to Bottom Layer, tented both sides, 4 vias
v6: diameter 100, hole 80, Top Layer to Bottom Layer, tented both sides, 1 vias

## Nets (pads, with @x,y where several pads share a name; then routed paths per layer and width w, separated by ;. In a path a pad name is that pad's centre, name@x,y a point inside that pad or via, vN(x,y) a via of type N, cw(c..) or ccw(c..) an arc to the next point about the centre after c; other vN are vias at no path point)
3.3V: C5.2 C10.2 C22.1 C29.1 C33.1 C49.2 C51.2 C52.2 C54.1 C55.2 C56.2 C57.2 L3.1 P4.4 R5.1 R6.1 R15.1 R48.2 R61.2 R68.1 R73.2 R78.2 SWD1.1 U3.16 U6.8 U7.3 U7.7 U7.8 U8.8 U9.8 U10.6 U10.11 U10.19 U10.28 U10.50 U10.75 U10.100 VR1.2 VR1.4 | length 17288.7
  Top Layer w10: R48.2@1580,575 v3(1580,655) ; R78.2@2870,1180 2870,940 v3(2895,915) ; L3.1@3180,925 3155,925 3145,935 3145,970 3135,980 C52.2@3115,980 v3(3115,1010) 3115,1040 3090,1065 3090,1266.89 3135,1311.89 U10.19@3197.76,1311.89 ; C51.2@3245,985 3245,999 3221,1023 3221,1039 3257,1075 3282,1075 3298.15,1091.15 U10.28@3298.15,1132.76 ; 3258.78,1645 3650,1645 3671.22,1666.22 U10.75@3792.24,1666.22 ; v3(3480,2435) U7.3@3540,2435
  Top Layer w15: C56.2@2930,1635 3010,1635 3077.2,1567.8 U10.6@3197.76,1567.8 3247.2,1567.8 3258.78,1556.22 ; U10.19@3197.76,1311.89 3261.89,1311.89 3300,1350 3300,1448.78 3258.78,1490 ; U10.11@3197.76,1469.37 3249.37,1469.37 3258.78,1478.78 3258.78,1490 ; C57.2@3260,1895 3258.78,1893.78 U10.100@3258.78,1727.24 3258.78,1645 3258.78,1556.22 ; U10.50@3731.22,1132.76 3731.22,1078.78 3775,1035 C55.2@3775,985 3800,985 3817,968 v2(3817,880) ; 3258.78,1490 3258.78,1556.22
  Top Layer w20: R6.1@540,605 R5.1@540,685 v3(600,685) ; v1(845,818) VR1.4@845,1165 ; 3200,880 3180,900 L3.1@3180,925 3185,925 C51.2@3245,985 ; U3.16@4688.61,1865 4745,1865 4760,1850 C22.1@4830,1850 ; R61.2@4854.06,895 4854.06,869.06 4840,855 4596.7,855 4555,896.7 v1(4555,922) 4555,1075 ; R73.2@4854.06,1200.56 4854.06,1198.5 C29.1@4795,1139.44 4774.44,1139.44 4710,1075 U8.8@4671.38,1075 4555,1075 ; R15.1@4889.06,1615 v1(4889.06,1566.06) 4795,1472 C33.1@4795,1445 4710,1445 4671.38,1406.38 U9.8@4671.38,1363.34 4618.34,1363.34 4595,1340 4595,1159.91 4555,1119.91 4555,1075
  Top Layer w30: 3200,880 v2(3385,880) ; v2(4665,3875) 4665,3750 4560,3645 4560,3255 4685,3130 C49.2@4685,3015
  Top Layer w40: VR1.2@1016.06,1165.55 1105.55,1165.55 v2(1120,1180) 1185,1180 ; v2(1095,1845) 1195,1745 1195,1325 1185,1315 1185,1180 ; C10.2@1216,1072 1212,1068 1180,1068 1185,1073 1185,1180 ; v2(2265,1945) 3035,1945 v2(3045,1935) 3085,1895 C57.2@3260,1895 ; R68.1@3710,2610 v2(3710,2470) 3710,2350 3875,2185 SWD1.1@3875,2140 ; 3720,2520 3735,2535 U7.8@3830,2535 ; U7.7@3830,2495 U7.8@3830,2535 ; C54.1@3955,2535 U7.8@3830,2535 ; C49.2@4685,3015 4688.82,3018.82 U6.8@4888,3018.82
  Bottom Layer w10: v3(2895,915) 2990,1010 v3(3115,1010) ; v3(3480,2435) 3550,2435 3585,2470 v2(3710,2470)
  Bottom Layer w20: v3(600,685) 712,685 v1(845,818) 850.12,823.12 1316.12,823.12 1484.23,655 v3(1580,655) ; v1(4781,1848) 4781,1706 4889.06,1597.94 v1(4889.06,1566.06)
  Bottom Layer w30: v2(3385,880) v2(3817,880) 3946,880 4080,1014 4294,1014 4388,920 4488,920 ; v2(3710,2470) 3710,2640 3740,2670 3740,3650 3880,3790 P4.4@4082.36,3790 4167.36,3875 v2(4665,3875) ; 4488,921 v1@4557,921
  Bottom Layer w40: v2(1095,1845) 1984,1845 2084,1945 v2(2265,1945) ; v2(3045,1935) 3170,2060 3795,2060 SWD1.1@3875,2140
ADC_ELE: C43.2 R29.1 U10.33 | length 3821.8
  Top Layer w10: v3(3380,1010) 3380,1035 3396.57,1051.57 U10.33@3396.57,1132.76 ; v3(3620,2695) v3(4120,2695) ; v3(4120,2395) 4120,2285 4165,2240 4161,2236 4161,1071 v3(4159,1069)
  Top Layer w20: R29.1@3620,3260 v3(3620,3292.5) C43.2@3620,3325
  Bottom Layer w10: v3(3380,1010) 3380,967.37 3402.69,944.69 3960.69,944.69 4085,1069 v3(4159,1069) ; v3(3620,2695) v3(3620,3292.5) ; v3(4120,2395) v3(4120,2695)
CVALUE1O2: D9.1 P11.3 Q9.3 | length 849.5
  Top Layer w30: Q9.3@2025,527.76 2213.15,527.76 D9.1@2225,539.61 2225,508 2384,349 2529,349 2643,235 P11.3@2643,153.06
CVALUE2O2: D10.1 P11.5 Q10.3 | length 656.2
  Top Layer w30: Q10.3@2490,522.76 Q10.3@2495,527.76 2506.85,539.61 D10.1@2688.75,539.61 2688.75,412.25 2843,258 P11.5@2843,153.06
CVALUE3O2: D11.1 P11.7 Q11.3 | length 649.3
  Top Layer w30: P11.7@3043,149.13 3043,389 3152.5,498.5 D11.1@3152.5,539.61 3140.65,527.76 Q11.3@2965,527.76 ; Q11.3@2965,527.76 2963.75,526.51 2963.75,517.75 2965,519 Q11.3@2965,527.76
CVALUE4O2: D12.1 P11.9 Q12.3 | length 644.3
  Top Layer w30: P11.9@3243,149.13 3243,284 3435,476 Q12.3@3435,527.76 3604.4,527.76 D12.1@3616.25,539.61
CVALUE5O2: D13.1 P11.11 Q13.3 | length 957.2
  Top Layer w30: P11.11@3443,149.13 3443,224.8 3474.2,256 3819,256 3906.25,343.25 Q13.3@3906.25,430.76 ; Q13.3@3905,430.76 Q13.3@3906.25,430.76 ; D13.1@4068.15,527.76 D13.1@4080,539.61 4080,463 4047.76,430.76 Q13.3@3906.25,430.76
EN1_485: R71.1 U8.2 U8.3 U10.56 | length 1085.2
  Top Layer w10: U10.56@3792.24,1292.2 3837.8,1292.2 3880,1250 v3(3880,1010) ; R71.1@4325,1050 v3(4365,1050) 4390,1025 U8.2@4445,1025 U8.3@4445,975
  Bottom Layer w10: v3(3880,1010) 3991,1121 4296,1121 v3@4365,1052
EN2_485: R77.1 U9.2 U9.3 U10.57 | length 749.1
  Top Layer w10: U10.57@3792.24,1311.89 v3(3863.11,1311.89) ; R77.1@4325,1305 v3(4365,1305) 4375,1305 4383.34,1313.34 U9.2@4445,1313.34 U9.3@4445,1263.34
  Bottom Layer w10: v3(3863.11,1311.89) 4358.11,1311.89 v3(4365,1305)